# Allegro board FEMA_B40_V0P2.brd
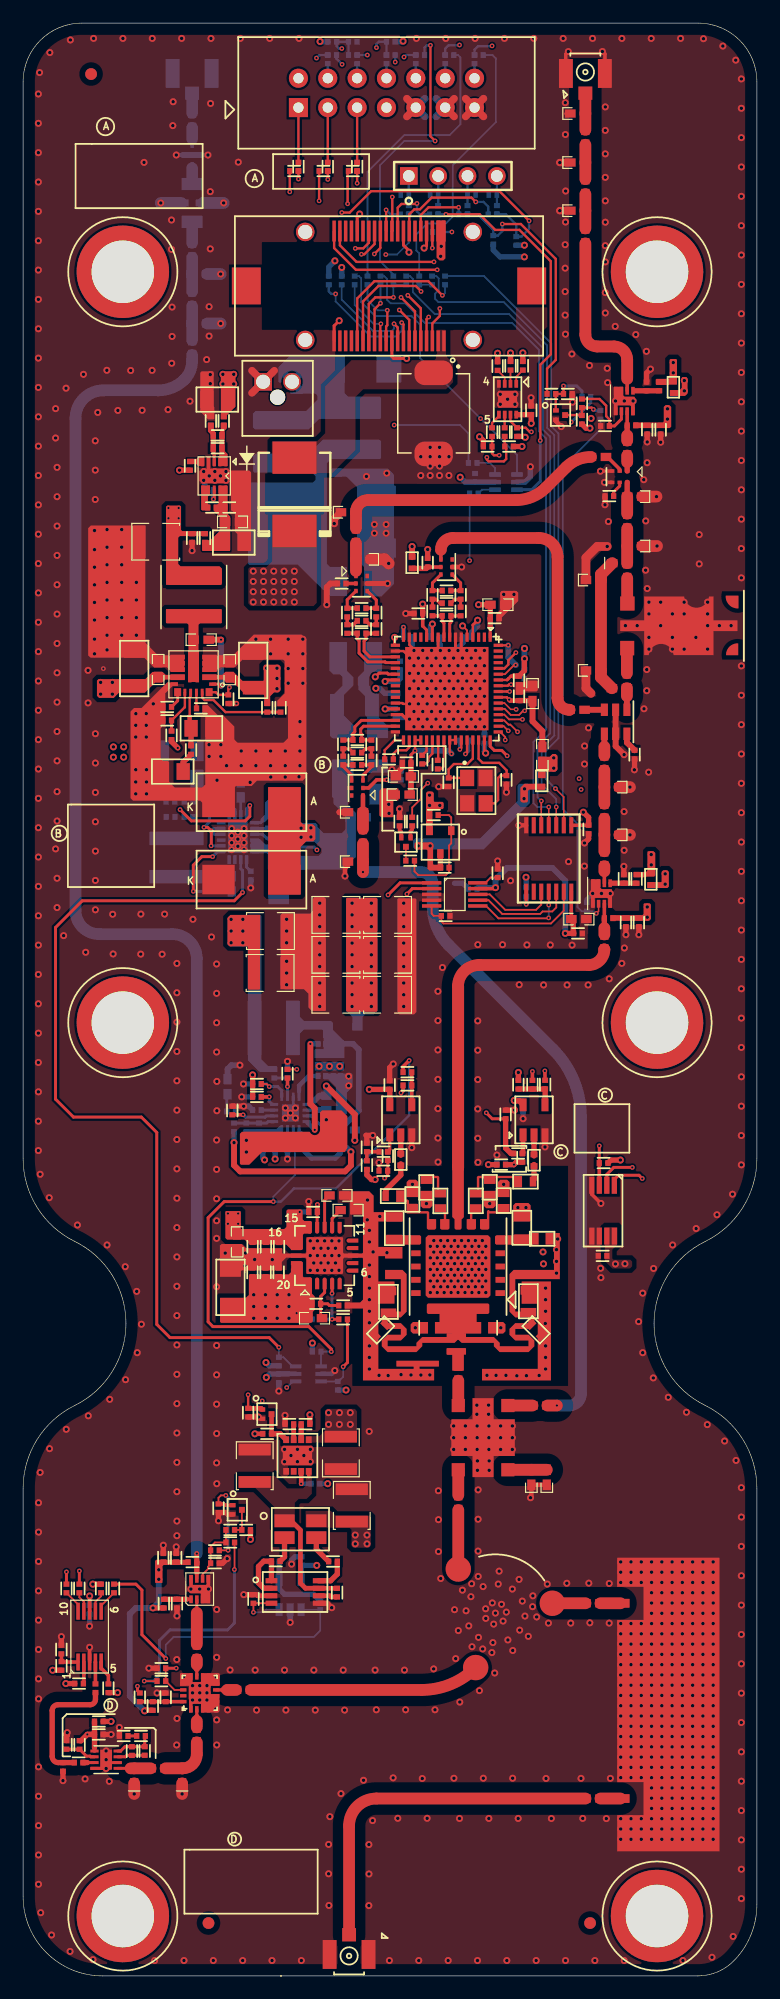
[diagram p0: board, top side]
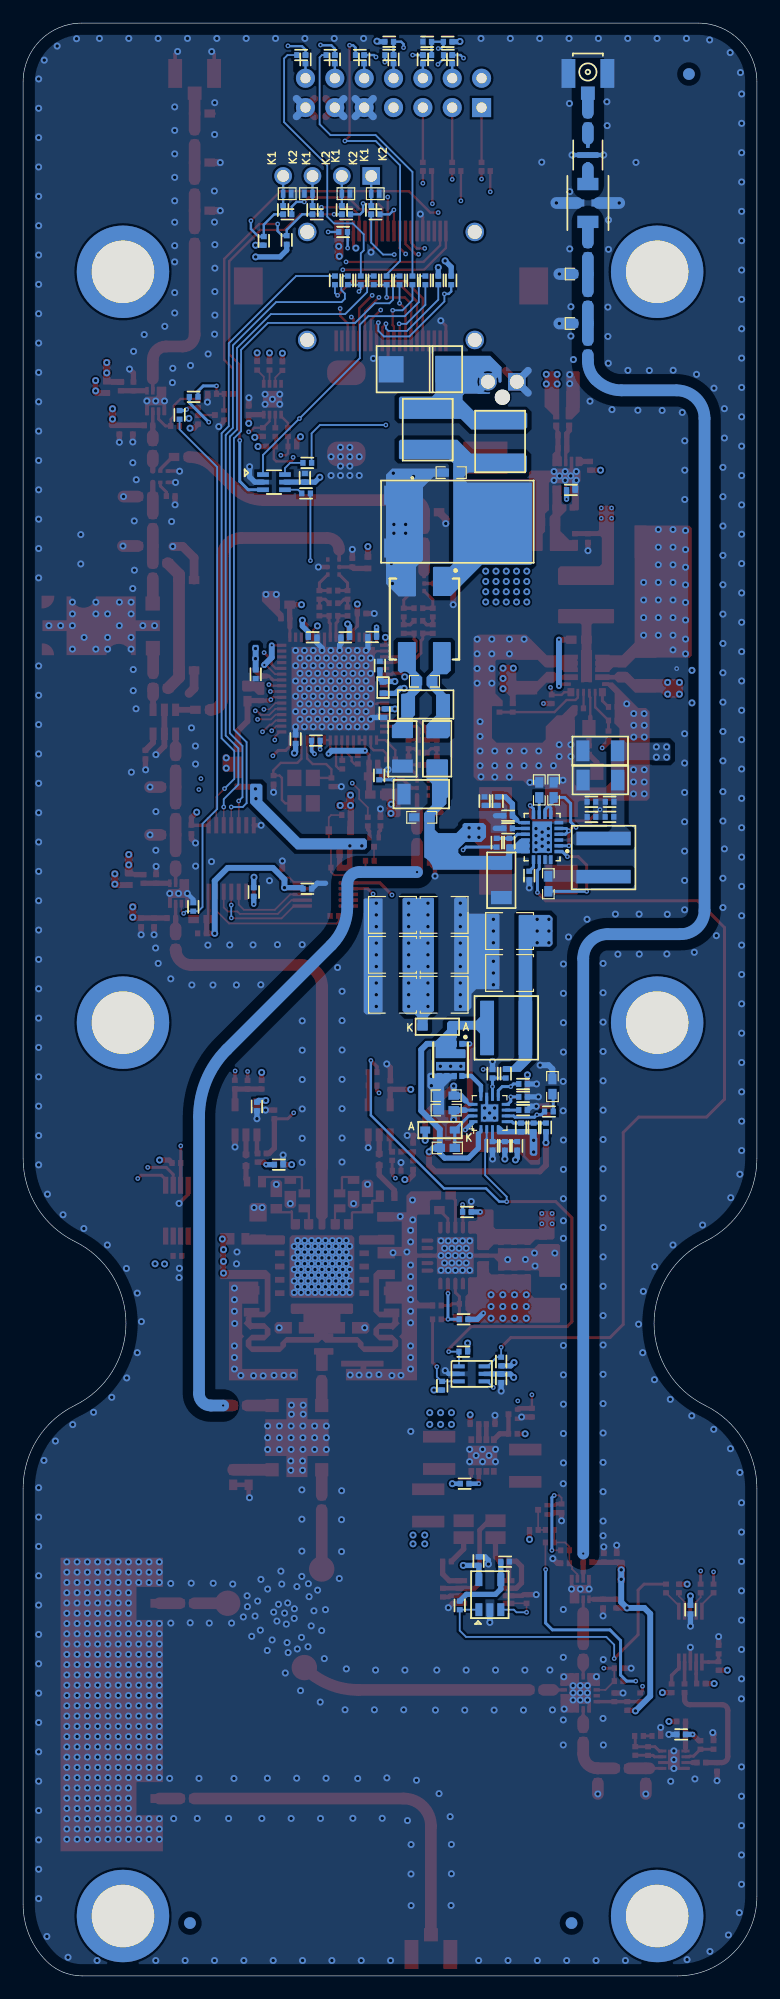
[diagram p1: board, bottom side, seen from below]

Outline 63.5 x 169 mm; copper layers: TOP, L2-GND1, L3-SIG1, L4-SIG2, L5-PWR, BOTTOM. Coordinates in mm from the lower left corner of the outline.
Outline path: 0,163.92 0,70.74 arc(1.21,66.51) 4.48,63.56 arc(8.9,56.47) 4.48,49.37 arc(1.21,46.42) 0,42.19 0,6.88 arc(2.01,2.01) 6.88,0 58.4,0 arc(60.16,0.37) 61.61,1.42 arc(63.01,3.62) 63.5,6.18 63.5,42.19 arc(62.29,46.42) 59.02,49.37 arc(54.6,56.47) 59.02,63.56 arc(62.29,66.51) 63.5,70.74 63.5,163.92 arc(62.01,167.51) 58.42,169 5.08,169 arc(1.49,167.51) 0,163.92

## Design rules (mm)
constraint set DEFAULT: min track width 0.127
net group PA_CIR_OUT: nets PA_CIR_OUT_N PA_CIR_OUT_P
net group PA_COUP_IN: nets PA_COUP_IN_N PA_COUP_IN_P
net group PA_RFPAL_OUT: nets PA_RFPAL_OUT_N PA_RFPAL_OUT_P
net group PWR: nets INT_VCC TX_PREDRI_VOUT VCC_DRV_5V VCC_RFPAL_1V8
net group RF_50E: nets ANT_CIR_OUT ANT_REF_PWR_DET_OUT N07551 N5466645 N5466649 N5466653 N5466657 N5466735 N5467666 N5467670 N5467824 N5527142 N5527732 N5527740 N5527744 N5527748 N5546966 N5888842 N5947085 N5947309 PA_CIR_OUT PA_COUP_IN RF_DET_REV_OUT RX_ATTN_IN RX_DUPL_OUT RX_LNA_OUT TX_ATTN_IN TX_ATTN_IN_C TX_ATTN_OUT TX_ATTN_OUT_C TX_BPF_IN TX_CPLLR_OUT TX_CPLR2_OUT TX_CPLR_3_IN TX_CPLR_3_OUT TX_CPLR_ATTN TX_DELY_BYPAS TX_DELY_IN TX_DELY_IN_R TX_DELY_OUT TX_DELY_OUT_R TX_DRIVER_IN TX_DRIVER_IN_C TX_DRIVER_OUT TX_PA_IN TX_PA_RFPAL_OUT TX_PA_RFPAL_OUT_C TX_PREDRI_OUT TX_PREDRI_OUT_C

## Placement (name value [footprint] x y rotation side)
C11  22uF  [C1206]  22.11 94.82 270 bottom
C13  0.1uF  [C0603]  18.05 94.51 90 bottom
C14  0.1uF  [C0402]  12.76 100.31 0 bottom
C15  22uF  [C1206]  13.56 106.02 0 bottom
C16  22uF  [C1206]  13.55 103.49 0 bottom
C17  0.1uF  [C0402]  14.31 100.3 0 bottom
C18  4.7uF  [C0603]  17.59 102.64 90 bottom
C19  15000pF  [C0603]  18.83 102.64 90 bottom
C20  100pF  [C0402]  21.53 100.41 0 bottom
C21  0.1uF  [C0603]  26.46 130.1 0 bottom
C22  0.1uF  [C0603]  28.77 112.04 0 bottom
C23  22uF  [C1206]  28.67 110.03 0 bottom
C26  22uF  [C1206]  29.04 102.27 0 bottom
C27  0.1uF  [C0603]  29 100.27 0 bottom
C28  1500pF  [C0402]  23.57 101.67 90 bottom
C29  10UF  [C1210]  27.07 84.91 180 bottom
C30  10UF  [C1210]  27.07 84.91 180 top
C31  10UF  [C1210]  27.07 88.37 180 bottom
C32  10UF  [C1210]  27.07 88.37 180 top
C33  10UF  [C1210]  27.07 91.82 180 bottom
C34  10UF  [C1210]  27.07 91.82 180 top
C35  10UF  [C1210]  31.54 88.37 0 bottom
C36  10UF  [C1210]  31.54 88.37 0 top
C37  10UF  [C1210]  31.54 84.91 0 bottom
C38  10UF  [C1210]  31.54 84.91 0 top
C39  10UF  [C1210]  31.54 91.82 0 bottom
C40  10UF  [C1210]  31.54 91.82 0 top
C41  4.7uF  [C0603]  26.89 76.17 0 bottom
C42  4.7uF  [C0603]  26.89 74.93 0 bottom
C43  0.22uF  [C0603]  26.79 71.65 0 bottom
C44  0.1uF  [C0402]  22.13 51.72 270 bottom
C45  10UF  [C1210]  21.38 86.79 0 top
C46  10UF  [C1210]  21.4 86.79 0 bottom
C47  10UF  [C1210]  21.4 90.42 0 bottom
C48  10UF  [C1210]  21.4 90.42 0 top
C49  0.1uF  [C0402]  20.23 74.93 180 bottom
C50  220pF  [C0402]  18.1 74.9 90 top
C51  47000pF  [C0402]  20.41 73.43 90 bottom
C52  15000pF  [C0603]  17.69 76.96 90 bottom
C53  0.1uF  [C0402]  20.74 71.83 270 bottom
C54  100pF  [C0402]  53.95 137.56 90 top
C55  100pF  [C0402]  54.01 133.81 270 top
C56  1uF  [C0402]  55.17 133.81 270 top
C57  100pF  [C0603]  52.28 132.22 270 top
C58  100pF  [C0603]  48.66 159.12 270 top
C59  100pF  [C0603]  48.66 150.58 270 top
C60  0.1uF  [C0402]  50.36 134.13 180 top
C61  100pF  [C0603]  49.79 131.45 0 top
C62  1uF  [C0402]  53.29 91.17 270 top
C63  100pF  [C0402]  52.17 91.17 270 top
C64  100pF  [C0402]  51.99 94.93 90 top
C65  100pF  [C0603]  50.3 89.48 90 top
C66  100pF  [C0603]  50.3 96.68 90 top
C67  100pF  [C0603]  50.3 104.98 90 top
C68  0.1uF  [C0402]  48.78 92.52 90 bottom
C69  100pF  [C0603]  47.94 109.57 0 top
C70  10UF  [M0805]  43.73 58.38 270 top
C71  9.1pF  [F0603]  44.4 55.91 135 top
C72  10UF  [M0805]  43.16 64.74 90 top
C73  1UF  [F0603]  41.59 67.09 90 top
C74  1UF  [F0603]  40.38 68.25 270 top
C75  1.8pF  [F0603]  39.95 56.09 180 top
C76  1.6pF  [F0603]  37.08 54.7 270 top
C77  100pF  [C0603]  37.66 40.96 270 top
C78  100pF  [C0603]  37.66 52.16 270 top
C80  100pF  [C0603]  49.32 32.25 0 top
C81  100pF  [C0603]  49.32 15.35 180 top
C82  0.5pF  [F0603]  37.9 54.69 270 top
C83  1UF  [F0603]  34.89 68.24 270 top
C84  1.8pF  [F0603]  35.34 56.08 180 top
C85  1UF  [F0603]  33.69 67.19 90 top
C86  10UF  [M0805]  32.12 64.71 90 top
C87  10UF  [M0805]  31.61 58.33 90 top
C88  9.1pF  [F0603]  30.94 55.9 225 top
C89  0.1uF  [C0402]  5.75 31.69 270 bottom
C90  1uF  [C0402]  50.15 62.31 180 top
C91  0.1uF  [C0402]  43.97 135.5 90 top
C101  1uF  [C0402]  12.34 24.11 90 top
C104  100pF  [C0603]  15.03 20.86 90 top
C109  100pF  [C0603]  19.07 24.75 0 top
C121  1uF  [C0402]  12.13 36.19 90 top
C122  100pF  [C0402]  13.25 36.19 90 top
C123  100pF  [C0402]  13.31 32.22 270 top
C124  100pF  [C0603]  14.63 160.58 270 bottom
C125  100pF  [C0603]  14.63 149.35 270 bottom
C126  100pF  [C0603]  14.63 140.92 270 bottom
C127  100pF  [C0603]  15.03 28.05 270 top
C128  0.1uF  [C0402]  16.6 35.71 0 top
C129  1000pF  [C0402]  31.66 105.28 180 top
C130  1000pF  [C0402]  34.53 105.26 90 top
C131  1uF  [C0402]  28.53 167.38 0 bottom
C132  1000pF  [C0402]  35.88 104.83 90 top
C133  0.5pF  [C0402]  28.92 104.8 180 top
C134  0.5pF  [C0402]  28.92 105.87 180 top
C135  1000pF  [C0402]  38.17 106.91 180 bottom
C136  0.5pF  [C0402]  36.64 118.8 0 top
C137  0.2pF  [C0402]  36.64 119.89 0 top
C138  15pF  [C0402]  32.69 103.89 90 bottom
C139  15pF  [C0402]  35.01 122.31 90 top
C140  8.2pF  [C0402]  36.82 103.3 90 top
C141  0.9pF  [C0402]  29.29 118.37 0 top
C142  0.5pF  [C0402]  29.29 117.27 0 top
C143  15pF  [C0402]  27.56 120.5 180 top
C144  8.2pF  [C0402]  41.82 103.51 90 top
C145  1000pF  [C0402]  39.92 107.04 90 bottom
C146  1000pF  [C0402]  38.45 115.85 180 bottom
C147  1000pF  [C0402]  34.2 117.91 180 top
C148  4..7uF  [C0603]  32.91 103.81 180 top
C149  1000pF  [C0402]  33.19 105 180 top
C150  1000pF  [C0402]  40.81 117.5 0 top
C151  0.1uF  [C0402]  36.48 95.91 180 top
C152  1000pF  [C0402]  43.37 112.65 270 bottom
C153  1000pF  [C0402]  32.22 109.28 270 bottom
C154  1000pF  [C0402]  32.63 113.4 90 bottom
C155  4..7uF  [C0603]  41.09 118.67 0 top
C156  1000pF  [C0402]  35.63 115.85 0 bottom
C157  4..7uF  [C0603]  44.08 110.97 90 top
C158  1000pF  [C0402]  42.92 110.74 90 top
C159  1000pF  [C0402]  42.92 112.12 270 top
C160  10UF  [C1210]  27.5 45.26 270 top
C161  10UF  [C1210]  20.04 44.15 90 top
C162  10UF  [C1210]  28.44 40.72 90 top
C166  0.1uF  [C0402]  27.17 33.17 90 top
C167  0.1uF  [C0402]  24.09 35.9 90 bottom
C168  0.1uF  [C0402]  38.9 94.08 180 bottom
C169  0.1uF  [C0402]  41.07 95.43 90 top
C178  0.1uF  [C0402]  48.02 90.22 0 top
C179  0.1uF  [C0402]  48.94 99.22 270 top
C180  2.2pF  [C0603]  48.09 91.46 0 top
C222  4.7uF  [C1206]  19.91 112.98 90 top
C223  4.7uF  [C1206]  9.61 113.15 90 top
C224  0.1uF  [C0603]  17.88 113.04 90 top
C225  0.1uF  [C0603]  11.68 113.06 90 top
C226  0.1uF  [C0603]  15.41 115.64 180 top
C227  47uF  [C1210]  11.48 124.12 180 top
C228  8.2nF  [C0402]  15.38 109.7 0 top
C229  18pF  [C0805]  15.43 107.97 0 top
C230  33nF  [C0805]  12.95 104.23 180 top
C231  10uF  [C0603]  18.52 63.53 270 top
C232  0.1uF  [C0402]  19.86 63.11 270 top
C233  0.1uF  [C0402]  21.01 63.11 270 top
C234  0.1uF  [C0402]  22.15 63.1 270 top
C235  10000pF  [C0603]  25.22 56.92 0 top
C236  0.1uF  [C0402]  22.12 60.88 90 top
C237  0.1uF  [C0402]  20.99 60.88 90 top
C238  0.1uF  [C0402]  19.85 60.88 90 top
C239  22uF  [C1206]  17.95 59.59 90 top
C240  10000pF  [C0603]  27.16 67.54 0 top
C241  10uF  [C0603]  28.12 66.27 0 top
C242  0.1uF  [C0402]  14.62 124.43 270 top
C243  10uF  [C0805]  18.23 124.04 0 top
C244  2.2uF  [C0603]  18.13 125.83 0 top
C245  10pF  [C0402]  17.85 127.08 0 top
C246  10nF  [C0402]  16.83 132.21 180 top
C247  10uF  [C0805]  16.81 136.42 180 top
C248  0.1uF  [C0402]  16.1 128.6 180 bottom
C249  0.1uF  [C0402]  43.27 75.24 270 bottom
C250  0.1uF  [C0402]  31.72 77.1 90 top
C255  100uF  [C2917]  19.76 94.88 180 top
C256  100uF  [C2917]  19.76 101.57 180 top
C257  0.1uF  [C0402]  39.11 129.65 90 bottom
C258  0.1uF  [C0402]  9.42 19.46 270 top
C259  0.1uF  [C0402]  10.52 19.47 270 top
C260  0.1uF  [C0402]  8.7 20.77 0 top
C261  100pF  [C0402]  6.55 20.9 180 top
C262  0.1uF  [C0402]  6.55 20.9 180 bottom
C277  560pF  [C0402]  3.45 18.09 270 top
C278  100pF  [C0603]  44.73 49.36 0 top
CON2  RECE.20279.001E.01  [RCPT_STR_50]  48.66 164.77 0 top
CON3  UFLR_0  [RCPT_STR_50]  28.21 1.73 180 top
CON4  RECE.20279.001E.01  [RCPT_STR_50]  14.63 164.77 180 bottom
D1  STPS1045B  [DPAK]  25.92 125.86 270 bottom
D2  BAS140WE6327  [SOD323]  27.42 73.2 180 bottom
D3  BAS140WE6327  [SOD323]  27.65 82.14 0 bottom
D4  PGB1010603MR  [D0603]  48.01 161.18 0 top
D5  -  [CLA4606-085LF]  14.63 157.58 90 bottom
D6  B530C-13-F  [DO_214SMC]  23.49 128.21 270 top
D11  SMDJ16CA  [DO-214AB]  35.53 135.23 270 top
D12  PESD3V3X1BL,315  [DFN98X58X50-2N_NXP]  40.65 154.23 180 bottom
D13  PESD3V3X1BL,315  [DFN98X58X50-2N_NXP]  38.81 154.23 0 bottom
D14  PESD3V3X1BL,315  [DFN98X58X50-2N_NXP]  35.57 154.23 180 bottom
D15  PESD3V3X1BL,315  [DFN98X58X50-2N_NXP]  33.03 154.23 180 bottom
F1  MINISMDC260F/16-2  [F1812]  28.49 133.81 270 bottom
F2  MINISMDC260F/16-2  [F1812]  22.22 132.79 270 bottom
FB4  120E  [FB_1206]  27.67 106.2 270 bottom
FB5  120E  [FB_1206]  30.68 106.2 270 bottom
FB6  33E  [FB_0402]  56.28 137.49 270 top
FB7  33E  [FB_0402]  54.33 94.9 270 top
FB8  33E  [FB_0402]  33.66 122.31 90 top
FB9  33E  [FB_0402]  44.88 103.42 90 top
FB10  33E  [FB_0402]  32.36 111.5 90 bottom
FB11  120E  [FB_0603]  32.81 102.24 0 top
FB12  120E  [FB_0603]  44.94 105.7 90 top
FB14  33E  [FB_0402]  44.21 70.59 270 top
FB15  33E  [FB_0402]  32.68 70.65 270 top
FL1  -  [USB040C]  51.69 15.35 90 top
J1  FX23L-40-S-0.5SV10  [FX23L-40-S-0P5SV10]  31.66 146.25 180 top
J2  -  [1053091102]  22.02 137.96 0 top
J3  10056844-114LF  [BERG_2X7_2P54]  31.45 162.96 0 top
J4  87224-4  [BERG_1X4_2P54]  33.38 155.77 0 top
L2  3.3UH  [XAL5030-332MEC]  13.27 96.79 90 bottom
L4  5.6UH  [XAL5050-562MEC]  21.68 82.04 180 bottom
L5  18nH  [L0402]  52.65 134.19 180 top
L6  18nH  [L0402]  50.68 91.54 180 top
L7  22nH  [L0402]  14.65 35.81 0 top
L8  2.2nH  [L0402]  30.14 106.58 90 top
L9  5.6nH  [L0402]  35.42 119.51 90 top
L10  8.2nH  [L0402]  28.92 106.96 180 top
L11  18nH  [L0402]  36.64 117.7 0 top
L12  2.2nH  [L0402]  27.7 106.58 90 top
L13  5.6nH  [L0402]  37.86 119.51 90 top
L14  1.2nH  [L0402]  28.05 116.56 270 top
L15  5.6UH  [INDDFN528X548X510-2N]  14.77 119.33 90 top
L16  1.2nH  [L0402]  30.56 116.56 270 top
L22  ACM70V-701-2PL-TL00  [FIL_ACM70V-701-2PL-TL00]  28.77 117.42 270 bottom
L30  3.3nH  [L0402]  29.29 116.18 0 top
MH1  M_HOLE  [MTG370X800]  8.63 147.48 0 top
MH2  M_HOLE  [MTG370X800]  8.63 82.5 0 top
MH3  M_HOLE  [MTG370X800]  54.86 5.18 0 top
MH4  M_HOLE  [MTG370X800]  54.86 82.5 0 top
MH5  M_HOLE  [MTG370X800]  8.63 5.18 0 top
MH6  M_HOLE  [MTG370X800]  54.86 147.48 0 top
NOREF  -  [unnamed]  16.04 4.57 0 top
NOREF#2  -  [unnamed]  5.88 164.59 0 top
NOREF#3  -  [unnamed]  49.06 4.57 0 top
NOREF#4  -  [unnamed]  49.06 4.57 180 bottom
NOREF#5  -  [unnamed]  16.04 4.57 180 bottom
NOREF#6  -  [unnamed]  5.88 164.59 180 bottom
Q1  FDMC8030  [TRANS_FDMC8030]  26.51 79.27 270 bottom
Q2  -  [RYM002N05T2CL]  46.51 135.08 270 top
Q3  -  [RYM002N05T2CL]  18.53 40.34 270 top
Q4  SI2333DS-T1-E3  [SOT23-3N]  36.11 98.12 180 top
Q5  -  [RYM002N05T2CL]  33.13 98.12 180 top
Q6  -  [RYM002N05T2CL]  21.1 48.62 270 top
R10  0E  [R0402]  21.42 98.07 90 bottom
R12  0E  [R0402]  22.52 98.07 90 bottom
R13  115K  [R0402]  12.75 101.61 0 bottom
R14  56K  [R0402]  14.32 101.61 0 bottom
R15  634K  [R0402]  21.53 99.31 0 bottom
R16  0E  [R0402]  19.7 95.22 270 bottom
R17  5.1K  [R0402]  22.43 101.67 270 bottom
R18  0E  [R0402]  22.88 78.08 270 top
R19  0E  [R0402]  21.73 78.08 90 bottom
R20  10K  [R0402]  22.88 78.08 90 bottom
R21  100K  [R0402]  27.24 51.08 90 bottom
R22  100K  [R0402]  25.41 54.03 0 bottom
R23  100K  [R0402]  22.13 53.17 90 bottom
R24  0E  [R0402]  20.23 76.07 0 top
R25  0E  [R0402]  20.23 77.19 0 bottom
R26  0E  [R0402]  20.23 77.19 0 top
R27  0E  [R0402]  20.23 76.07 180 bottom
R28  8.2K  [R0402]  18 74.8 180 bottom
R29  1M Ohm  [R0402]  19.32 73.43 90 bottom
R30  8.2K  [R0402]  18.25 73.43 270 bottom
R31  200K  [R0402]  21.81 71.83 270 bottom
R32  12.7K  [R0402]  22.88 71.83 270 bottom
R33  8.2K  [R0402]  55.05 137.56 90 top
R34  0E  [R0603]  48.66 154.85 270 top
R35  49.9E  [R0402]  50.73 128.07 180 top
R36  0E  [R0603]  48.01 156.93 0 top
R37  0E  [R0603]  48.01 152.77 0 top
R38  1.1K  [R0402]  48.36 134.67 90 top
R39  0E  [R0402]  48.36 136.1 90 top
R40  0E  [R0402]  49.96 135.1 270 bottom
R41  10K  [R0402]  47.14 136.91 0 top
R42  5.1K  [R0402]  53.09 94.93 270 top
R43  0E  [R0603]  51.6 111.44 0 top
R44  0E  [R0603]  51.63 122.26 180 top
R45  120E  [R0603]  50.3 100.79 270 top
R46  0E  [R0603]  52.25 112.09 90 top
R47  0E  [R0603]  52.28 121.61 90 top
R48  0E  [R0603]  52.28 125.9 90 top
R49  0E  [R0603]  52.93 123.74 180 top
R50  0E  [R0603]  52.93 128.02 180 top
R51  75E  [R0603]  50.95 98.75 180 top
R52  75E  [R0603]  50.95 102.88 180 top
R53  49.9E  [R0402]  52.92 105.7 270 top
R54  0E  [F0603]  44.92 63.79 180 top
R55  820E  [F0603]  43.47 68.74 180 top
R56  5.1E  [F0603]  39.17 67.07 270 top
R57  5.1E  [F0603]  36.11 67.07 270 top
R58  100E  [R0603]  43.98 43.15 270 top
R59  100E  [R0603]  45.32 43.15 270 top
R60  0E  [R0402]  15.74 124.43 270 top
R62  10E  [F0603]  32.02 67.49 0 top
R63  10K  [R0402]  4.84 25.3 0 top
R64  10K  [R0402]  3.32 26.83 90 top
R65  10K  [R0402]  50.23 70.35 180 top
R66  10K  [R0402]  6.75 33.53 270 top
R67  10K  [R0402]  42.74 133.6 90 top
R68  10K  [R0402]  42.18 139.34 270 top
R69  10K  [R0402]  43.25 139.34 270 top
R70  4.7K  [R0402]  42.06 132.36 180 top
R71  4.7K  [R0402]  40.2 132.36 0 top
R72  10K  [R0402]  3.31 28.24 90 top
R73  10K  [R0402]  41.06 139.32 270 top
R74  0E  [R0402]  6.26 24.9 90 top
R76  0E  [R0402]  41.68 133.6 270 top
R77  0E  [R0402]  40.58 133.6 270 top
R78  0E  [R0402]  7.86 33.53 270 top
R79  0E  [R0402]  4.87 33.53 90 top
R80  0E  [R0402]  3.75 33.53 90 top
R84  0E  [R0402]  11.22 23.36 270 top
R85  0E  [R0603]  11.68 17.96 0 top
R86  0E  [R0603]  9.61 17.31 90 top
R88  0E  [R0603]  13.76 17.31 90 top
R95  10K  [R0402]  10.1 24.11 90 top
R96  0E  [R0402]  11.96 25.51 0 top
R97  100K  [R0402]  11.96 26.63 180 top
R98  10K  [R0402]  42.86 77.13 270 top
R99  0E  [R0603]  14.63 145.14 270 bottom
R100  1.1K  [R0402]  19.3 38.6 180 top
R101  0E  [R0603]  15.28 147.29 180 bottom
R102  0E  [R0603]  15.28 143 180 bottom
R103  0E  [R0402]  17.93 38.6 180 top
R104  10K  [R0402]  16.91 40.47 270 top
R105  200E  [R0603]  29.41 98.61 270 top
R106  68E  [R0603]  28.76 100.71 0 top
R107  68E  [R0603]  28.76 96.43 0 top
R108  10K  [R0402]  26.76 167.38 0 bottom
R109  12.4K  [R0402]  33.29 115.88 0 bottom
R110  0E  [R0402]  30.14 105.18 90 top
R111  0E  [R0402]  35.42 118.08 90 top
R112  0E  [R0402]  27.7 105.18 90 top
R113  0E  [R0402]  37.86 118.08 90 top
R114  0E  [R0402]  28.05 117.99 270 top
R115  0E  [R0402]  30.56 117.99 270 top
R116  0E  [R0603]  28.8 124.64 90 top
R117  0E  [R0603]  29.45 122.6 180 top
R118  0E  [R0603]  28.15 126.67 0 top
R119  1.1K  [R0402]  35.54 100.46 0 top
R120  0E  [R0402]  33.49 96.51 0 top
R121  0E  [R0402]  33.67 99.9 270 top
R122  0E  [R0402]  32.58 99.9 270 top
R123  100K  [R0402]  24.44 47.75 180 top
R124  100K  [R0402]  25.29 42.6 180 bottom
R125  50mE  [RSENSE1206]  24 38.66 0 top
R126  30.1E  [R0402]  21.87 35.89 180 top
R127  30.1E  [R0402]  26.82 35.87 0 top
R128  270K  [R0402]  23.04 47.75 180 top
R129  470E  [R0402]  21.12 46.91 0 top
R130  0E  [R0402]  25.72 32.07 270 bottom
R131  10K  [R0402]  19.47 48.74 270 top
R132  910E  [R0402]  19.93 32.62 90 top
R133  0E  [R0402]  21.79 35.85 180 bottom
R139  10K  [R0402]  36.57 91.73 0 top
R156  0E  [R0402]  35.81 150.93 180 bottom
R159  5.1K  [R0402]  12.18 32.22 90 top
R185  0E  [R0402]  34.28 146.74 270 bottom
R186  0E  [R0402]  32.04 146.74 270 bottom
R187  0E  [R0402]  35.4 146.74 270 bottom
R188  0E  [R0402]  33.16 146.74 270 bottom
R189  0E  [R0402]  28.69 146.74 270 bottom
R190  0E  [R0402]  29.81 146.74 270 bottom
R191  0E  [R0402]  30.92 146.74 270 bottom
R208  84.5K  [R0402]  21.13 109.75 270 top
R209  49.9K  [R0402]  12.84 107.36 90 top
R210  100K  [R0402]  17.76 110.49 90 top
R211  11K  [R0402]  22.28 109.75 90 top
R212  90.0K  [R0402]  12.47 109.82 180 top
R213  6.04K  [R0402]  12.47 108.65 180 top
R214  2.67K  [R0402]  14.53 106.09 270 top
R215  29.4K  [R0402]  25.09 66.11 0 bottom
R216  105K  [R0402]  25.37 58.17 0 top
R217  10K  [R0402]  25.09 66.11 180 top
R218  20K  [R0402]  27.69 58.02 0 top
R219  100K  [R0402]  25.38 56.83 0 bottom
R220  0E  [R0402]  27.69 56.83 0 top
R238  0E  [R0402]  26.74 166.24 0 bottom
R239  0E  [R0402]  23.45 156.2 180 top
R240  0E  [R0402]  25.99 156.2 180 top
R241  0E  [R0402]  28.53 156.2 180 top
R242  0E  [R0402]  26.37 165.86 270 bottom
R246  0E  [R0402]  39.44 166.24 180 bottom
R247  0E  [R0402]  34.36 166.24 180 bottom
R248  0E  [R0402]  31.82 166.24 180 bottom
R249  0E  [R0402]  36.9 166.24 180 bottom
R254  0E  [R0402]  28.53 166.24 0 bottom
R255  0E  [R0402]  28.91 165.86 90 bottom
R256  10K  [R0402]  31.82 167.39 180 bottom
R257  0E  [R0402]  31.45 165.86 90 bottom
R258  0E  [R0402]  33.99 165.86 90 bottom
R259  0E  [R0402]  36.53 165.86 90 bottom
R260  0E  [R0402]  39.07 165.86 90 bottom
R261  0E  [R0402]  23.83 156.57 90 top
R262  0E  [R0402]  26.37 156.57 90 top
R263  0E  [R0402]  28.91 156.57 90 top
R264  10K  [R0402]  43.54 93.8 270 bottom
R266  10K  [R0402]  26.45 146.74 270 bottom
R267  10K  [R0402]  27.57 146.74 270 bottom
R268  10K  [R0402]  40.69 150.23 90 bottom
R269  10K  [R0402]  42.67 150.15 90 bottom
R270  0E  [R0402]  36.51 146.74 270 bottom
R271  5.1K  [R0402]  41.38 70.21 0 top
R272  10K  [R0402]  41.38 70.21 180 bottom
R273  9.1K  [R0402]  29.75 70.17 90 top
R274  10K  [R0402]  29.75 71.7 90 top
R275  0E  [R0402]  43.21 70.8 90 top
R276  0E  [R0402]  31.19 71.33 0 top
R277  0E  [R0402]  44.07 77.13 270 top
R278  0E  [R0402]  33.25 78.21 0 top
R279  0E  [R0402]  17.36 134.57 90 top
R280  3.57k  [R0402]  16.83 133.32 180 top
R281  0E  [R0402]  16.35 127.08 180 top
R282  1.15k  [R0402]  16.25 134.57 90 top
R283  20K  [R0402]  14.44 130.68 270 top
R284  0E  [R0402]  6.55 22.02 0 top
R295  10K  [R0402]  41.76 74.55 90 top
R296  10E  [R0402]  45.18 77.13 270 top
R297  10K  [R0402]  31.17 69.68 180 top
R298  10E  [R0402]  33.26 77.07 0 top
R302  0E  [R0402]  35.54 152.45 180 bottom
R304  0E  [R0402]  39.01 128.3 0 bottom
R305  0E  [R0402]  38.91 130.94 0 bottom
R306  100E  [R0402]  4.8 18.46 180 top
R307  100K  [R0402]  4.89 19.99 90 top
R308  100K  [R0402]  3.75 19.99 270 top
R309  4E3  [R0402]  10.2 20.77 180 top
R350  1.1K  [R0402]  31.56 70.95 90 top
R351  1.1K  [R0402]  42.83 71.18 0 top
R352  10K  [R0402]  7.38 24.89 90 top
R353  0E  [R0402]  48.74 136.66 180 bottom
R354  0E  [R0402]  45.72 136.91 0 top
R355  0E  [R0402]  17.92 37.51 180 top
R356  0E  [R0402]  16.6 36.83 180 top
R357  0E  [R0402]  38.08 152.45 180 bottom
R358  0E  [R0402]  40.62 152.45 180 bottom
R359  0E  [R0402]  33 152.45 180 bottom
R360  0E  [R0402]  33.38 152.83 270 bottom
R361  0E  [R0402]  35.92 152.83 270 bottom
R362  0E  [R0402]  38.46 152.83 270 bottom
R363  0E  [R0402]  41 152.83 270 bottom
R364  0E  [R0603]  49.36 120.8 0 top
R365  0E  [R0603]  49.36 112.98 0 top
T1  -  [BD2040J50100A00]  36.64 121.93 0 top
T2  -  [BD2040J50100A00]  28.92 102.81 180 top
T3  -  [BD2040J50100A00]  29.29 120.5 0 top
U1  LTC3786EUD#PBF  [QFN-16_UD]  23.13 74.68 90 bottom
U3  -  [SKYFR-001390]  40.87 31.38 340 top
U4  -  [X3C19P2-30S]  39.8 46.58 90 top
U10  TPS7A9101DSKR  [WSON_0P5P_2P5X2P5X0P8_10N]  16.54 129.81 180 top
U13  LTC3626IUDC#PBF  [QFN50P400X300X80-21N]  18.58 98.55 0 bottom
U19  SC1894A-00C13  [21-0765A_K6499MK1B]  36.67 111.4 270 top
U21  -  [TQL9092]  15.28 33.48 90 top
U22  PE42823  [QFN-17N]  15.29 24.49 90 top
U27  NX3225SA-20.000M-STD-CRS-2  [OSCCC320X250X60]  39.22 102.58 270 top
U28  -  [TQL9092]  52.03 136.3 270 top
U29  -  [DC2337J5010AHF]  51.63 129.74 270 top
U30  -  [XDL15-3-030S]  56.79 116.84 0 top
U32  BDCN-7-25+  [BDCN-7-25_6N]  51.28 108.54 180 top
U47  TPS54424RNVR  [RNV0018B]  14.75 112.74 180 top
U48  TPS7A8300  [QFN65P500X500X100-21N_A]  26.09 62.34 90 top
U60  -  [TQL9092]  50.05 93.67 270 top